# KiCad board nsec-badge-2025-panel.kicad_pcb (continued)
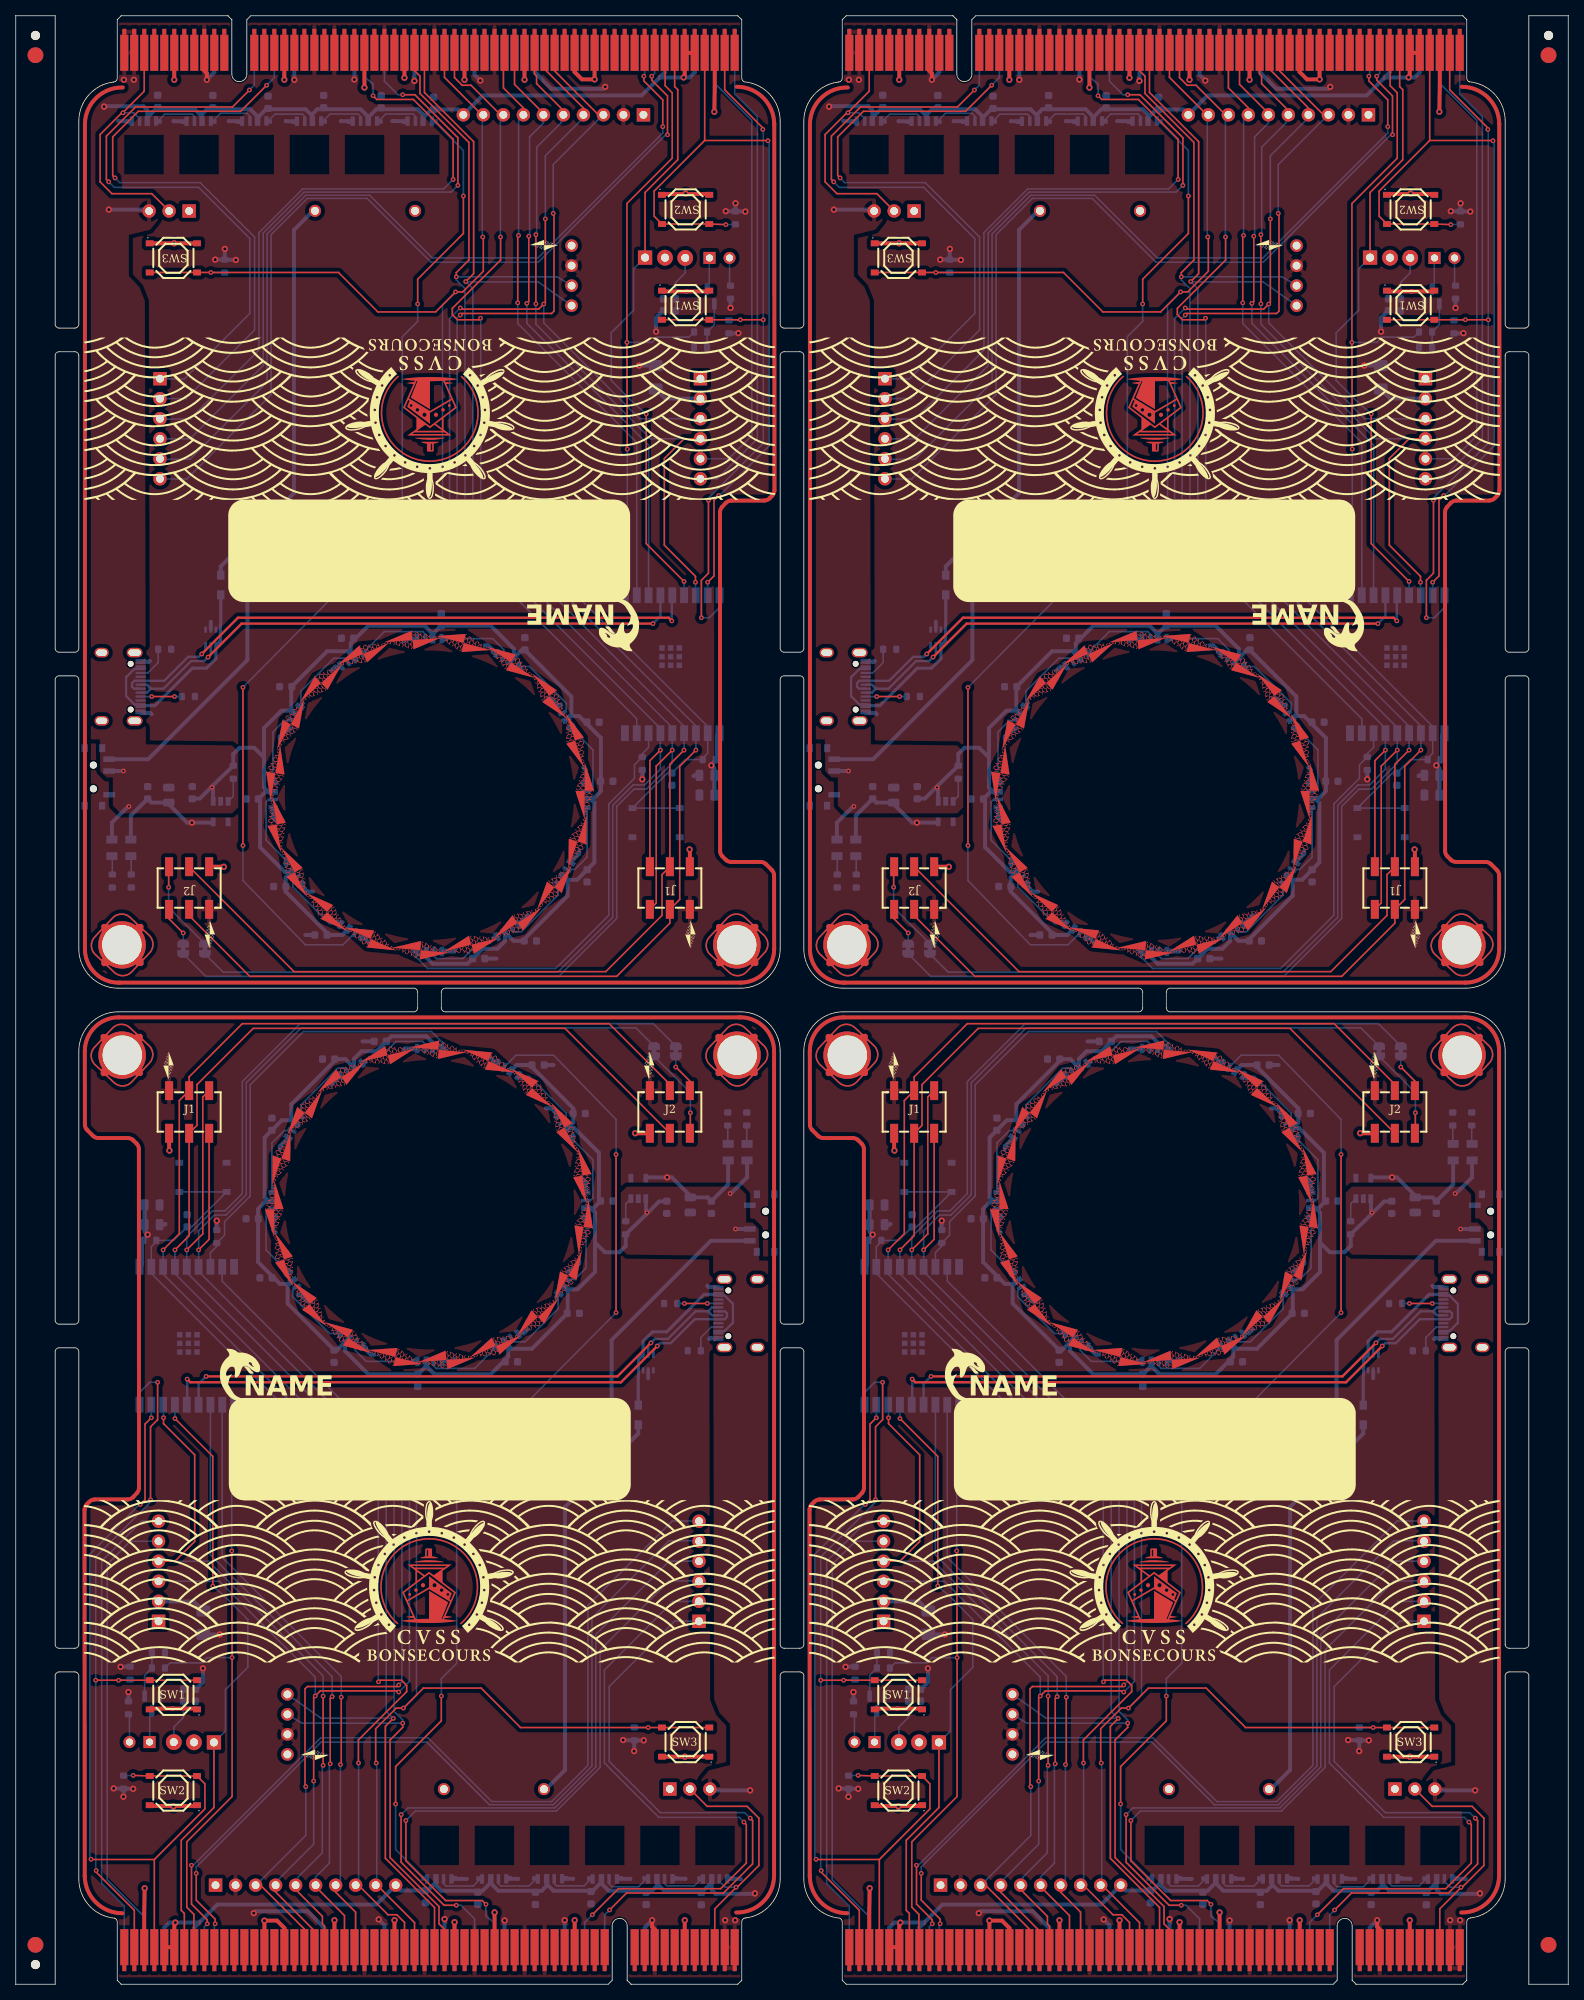
[diagram p0: board, top side]
## Nets (continued)
Board_1-VDD: C1#4.1 C5#2.1 C6.1 C7.1 C8#2.1 C9#2.1 C10#3.1 C11#4.1 C12#3.1 C13.1 C14#4.1 C15#2.1 C16#2.1 C20.1 C21#2.1 C22#3.1 C23#3.1 C24#2.1 C25#3.1 J3#4.10 J4.3 J5.A5 J5.A8 J5.A61 J5.A62 J5.B5 J5.B6 J5.B61 J5.B62 KEY1#4.2 LED1#2.1 R1.1 RGB1#4.2 RGB2.2 RGB3.2 RGB4.2 RGB5#2.2 RGB6.2 RGB7.2 RGB8#2.2 RGB9#4.2 RGB10#4.2 RGB11#2.2 RGB12#4.2 RGB13.2 RGB14.2 RGB15#3.2 RGB16.2 RGB17.2 RGB18#4.2 U6.1
Board_2-+3V3: C2#2.1 C3.1 C18#4.1 C19#2.1 F1#4.1 J1#3.1 J2#3.1 J3.2 J5#2.A21 J5#2.A27 J5#2.A33 J5#2.A39 J5#2.A45 J5#2.A53 J5#2.B25 J5#2.B31 J5#2.B36 J5#2.B41 J5#2.B43 J5#2.B54 LED2#4.1 R6#2.1 R7#4.1 R8#4.1 R9#3.1 R10#2.1 R11.1 R14#3.1 U1.1 U6#3.5 U7.2
Board_2-BTN_A: J3.9 J5#2.B30 R9#3.2 SW3#2.3 SW3#2.4 U1.8
Board_2-BTN_DOWN: J5#2.B4 R8#4.2 SW2#3.3 SW2#3.4 U1.17
Board_2-BTN_UP: J5#2.B2 R7#4.2 SW1#2.3 SW1#2.4 U1.18
Board_2-GND: BT1#3.N C1#3.2 C2#2.2 C3.2 C4#4.2 C5#4.2 C6#4.2 C7#3.2 C8#3.2 C9.2 C10#4.2 C11#2.2 C12.2 C13#2.2 C14#3.2 C15#4.2 C16#3.2 C17#3.2 C18#4.2 C19#2.2 C20#3.2 C21.2 C22.2 C23#2.2 C24.2 C25#2.2 HOLE1#3.1 HOLE2.1 J1#3.6 J2#3.6 J3.1 J4#3.1 J5#2.A18 J5#2.A24 J5#2.A30 J5#2.A35 J5#2.A37 J5#2.A42 J5#2.A48 J5#2.A56 J5#2.B3 J5#2.B15 J5#2.B17 J5#2.B22 J5#2.B28 J5#2.B34 J5#2.B38 J5#2.B46 J5#2.B57 J6#3.1 KEY1#2.4 KEY1#2.5 KEY1#2.6 KEY1#2.7 Q1#4.2 R2#4.2 R3#2.2 R4#4.2 R5#4.2 R13#2.1 RGB1#2.4 RGB2#4.4 RGB3#3.4 RGB4#4.4 RGB5.4 RGB6#2.4 RGB7#2.4 RGB8#3.4 RGB9.4 RGB10#2.4 RGB11.4 RGB12.4 RGB13#4.4 RGB14#3.4 RGB15#2.4 RGB16#3.4 RGB17#3.4 RGB18#2.4 SW1#2.1 SW1#2.2 SW2#3.1 SW2#3.2 SW3#2.1 SW3#2.2 SW4#4.1 SW4#4.2 U1.9 U1.19 U2#3.0 U2#3.A1 U2#3.A12 U2#3.B1 U2#3.B12 U3.2 U5#2.2 U6#3.2 U7.1
Board_2-GPIO1: J1#3.3 J3.3 J5#2.B19 JP1#3.2 U1.5
Board_2-GPIO2: J1#3.4 J3.4 J5#2.B20 J6#3.3 JP2#3.1 U1.6
Board_2-GPIO3: J3.5 J5#2.B21 J6#3.4 U1.16
Board_2-I2C_SCL: J1#3.5 J2#3.5 J5#2.B33 U1.4 U7.3
Board_2-I2C_SDA: J1#3.2 J2#3.2 J5#2.B32 U1.3 U7.4
Board_2-IR_IN: J5#2.B7 U1.15 U5#2.1
Board_2-IR_OUT: J5#2.B8 R12.1 U1.10
Board_2-Net-(J6-Pin_2): F1#4.2 J6#3.2
Board_2-Net-(JP1-A): J2#3.3 JP1#3.1
Board_2-Net-(JP2-B): J2#3.4 JP2#3.2
Board_2-Net-(LED1--): LED1.2 R2#4.1
Board_2-Net-(LED2--): LED2#4.2 R3#2.1
Board_2-Net-(Q1-B): Q1#4.1 R12.2 R13#2.2
Board_2-Net-(Q1-C): Q1#4.3 U4#3.1
Board_2-Net-(RGB1-DOUT): RGB1#2.3 RGB2#4.1
Board_2-Net-(RGB2-DOUT): RGB2#4.3 RGB3#3.1
Board_2-Net-(RGB3-DOUT): RGB3#3.3 RGB4#4.1
Board_2-Net-(RGB4-DOUT): RGB4#4.3 RGB5.1
Board_2-Net-(RGB5-DOUT): RGB5.3 RGB6#2.1
Board_2-Net-(RGB6-DOUT): RGB6#2.3 RGB7#2.1
Board_2-Net-(RGB7-DOUT): RGB7#2.3 RGB8#3.1
Board_2-Net-(RGB8-DOUT): RGB8#3.3 RGB9.1
Board_2-Net-(RGB10-DIN): RGB9.3 RGB10#2.1
Board_2-Net-(RGB10-DOUT): RGB10#2.3 RGB11.1
Board_2-Net-(RGB11-DOUT): RGB11.3 RGB12.1
Board_2-Net-(RGB12-DOUT): RGB12.3 RGB13#4.1
Board_2-Net-(RGB13-DOUT): RGB13#4.3 RGB14#3.1
Board_2-Net-(RGB14-DOUT): RGB14#3.3 RGB15#2.1
Board_2-Net-(RGB15-DOUT): RGB15#2.3 RGB16#3.1
Board_2-Net-(RGB16-DOUT): RGB16#3.3 RGB17#3.1
Board_2-Net-(RGB17-DOUT): RGB17#3.3 RGB18#2.1
Board_2-Net-(U2-CC1): R4#4.1 U2#3.A5
Board_2-Net-(U2-CC2): R5#4.1 U2#3.B5
Board_2-Net-(U4-A): R11.2 U4#3.2
Board_2-Net-(U5-VS): C17#3.1 R10#2.2 U5#2.3
Board_2-Net-(U6-EN): R1#3.2 U6#3.3
Board_2-POWER_IN: D1#3.1 D2.1 KEY1#2.3
Board_2-RESET: C4#4.1 J3.8 J5#2.B29 R6#2.2 SW4#4.3 SW4#4.4 U1.2
Board_2-RGB_LED: R14#3.2 RGB1#2.1 U1.7
Board_2-RGB_OUT: J4#3.2 J5#2.B60 RGB18#2.3
Board_2-SV1: J5#2.A3 J6#3.5
Board_2-SV2: J5#2.A1 J6#3.6
Board_2-SV3: J5#2.A49 J7#2.1
Board_2-SV4: J5#2.A47 J7#2.2
Board_2-SV5: J5#2.A38 J7#2.3
Board_2-SV6: J5#2.A36 J7#2.4
Board_2-SV7: J5#2.A10 J7#2.5
Board_2-SV8: J5#2.A9 J7#2.6
Board_2-UART_RX: J3.7 J5#2.B24 U1.11
Board_2-UART_TX: J3.6 J5#2.B23 U1.12
Board_2-unconnected-(J5-3.3VAUX-PadA14): J5#2.A14
Board_2-unconnected-(J5-+12V-PadA2): J5#2.A2
Board_2-unconnected-(J5--12V-PadB1): J5#2.B1
Board_2-unconnected-(J5-AD[00]-PadA58): J5#2.A58
Board_2-unconnected-(J5-AD[01]-PadB58): J5#2.B58
Board_2-unconnected-(J5-AD[02]-PadA57): J5#2.A57
Board_2-unconnected-(J5-AD[03]-PadB56): J5#2.B56
Board_2-unconnected-(J5-AD[04]-PadA55): J5#2.A55
Board_2-unconnected-(J5-AD[05]-PadB55): J5#2.B55
Board_2-unconnected-(J5-AD[06]-PadA54): J5#2.A54
Board_2-unconnected-(J5-AD[07]-PadB53): J5#2.B53
Board_2-unconnected-(J5-AD[08]-PadB52): J5#2.B52
Board_2-unconnected-(J5-AD[10]-PadB48): J5#2.B48
Board_2-unconnected-(J5-AD[12]-PadB47): J5#2.B47
Board_2-unconnected-(J5-AD[13]-PadA46): J5#2.A46
Board_2-unconnected-(J5-AD[14]-PadB45): J5#2.B45
Board_2-unconnected-(J5-AD[15]-PadA44): J5#2.A44
Board_2-unconnected-(J5-AD[16]-PadA32): J5#2.A32
Board_2-unconnected-(J5-AD[18]-PadA31): J5#2.A31
Board_2-unconnected-(J5-AD[20]-PadA29): J5#2.A29
Board_2-unconnected-(J5-AD[22]-PadA28): J5#2.A28
Board_2-unconnected-(J5-AD[23]-PadB27): J5#2.B27
Board_2-unconnected-(J5-AD[24]-PadA25): J5#2.A25
Board_2-unconnected-(J5-AD[26]-PadA23): J5#2.A23
Board_2-unconnected-(J5-AD[28]-PadA22): J5#2.A22
Board_2-unconnected-(J5-AD[30]-PadA20): J5#2.A20
Board_2-unconnected-(J5-C/BE#[3]-PadB26): J5#2.B26
Board_2-unconnected-(J5-CLK-PadB16): J5#2.B16
Board_2-unconnected-(J5-IDSEL-PadA26): J5#2.A26
Board_2-unconnected-(J5-M66EN-PadB49): J5#2.B49
Board_2-unconnected-(J5-PAR-PadA43): J5#2.A43
Board_2-unconnected-(J5-PME#-PadA19): J5#2.A19
Board_2-unconnected-(J5-RESERVED-PadA11): J5#2.A11
Board_2-unconnected-(J5-RESERVED-PadA40): J5#2.A40
Board_2-unconnected-(J5-RESERVED-PadA41): J5#2.A41
Board_2-unconnected-(J5-RESERVED-PadB10): J5#2.B10
Board_2-unconnected-(J5-RESERVED-PadB14): J5#2.B14
Board_2-unconnected-(J5-TDI-PadA4): J5#2.A4
Board_2-unconnected-(J5-VIO-PadA16): J5#2.A16
Board_2-unconnected-(J5-VIO-PadA59): J5#2.A59
Board_2-unconnected-(J5-VIO-PadB59): J5#2.B59
Board_2-unconnected-(J5-~{C/BE#[0]}-PadA52): J5#2.A52
Board_2-unconnected-(J5-~{C/BE#[1]}-PadB44): J5#2.B44
Board_2-unconnected-(J5-~{DEVSEL#}-PadB37): J5#2.B37
Board_2-unconnected-(J5-~{FRAME#}-PadA34): J5#2.A34
Board_2-unconnected-(J5-~{GNT#}-PadA17): J5#2.A17
Board_2-unconnected-(J5-~{INTA#}-PadA6): J5#2.A6
Board_2-unconnected-(J5-~{INTC#}-PadA7): J5#2.A7
Board_2-unconnected-(J5-~{IRDY#}-PadB35): J5#2.B35
Board_2-unconnected-(J5-~{LOCK#}-PadB39): J5#2.B39
Board_2-unconnected-(J5-~{PERR#}-PadB40): J5#2.B40
Board_2-unconnected-(J5-~{PRSNT1#}-PadB9): J5#2.B9
Board_2-unconnected-(J5-~{PRSNT2#}-PadB11): J5#2.B11
Board_2-unconnected-(J5-~{REQ64#}-PadA60): J5#2.A60
Board_2-unconnected-(J5-~{REQ#}-PadB18): J5#2.B18
Board_2-unconnected-(J5-~{RST#}-PadA15): J5#2.A15
Board_2-unconnected-(J5-~{SERR#}-PadB42): J5#2.B42
Board_2-unconnected-(KEY1-Pad1): KEY1#2.1
Board_2-unconnected-(U2-SBU1-PadA8): U2#3.A8
Board_2-unconnected-(U2-SBU2-PadB8): U2#3.B8
Board_2-unconnected-(U3-Pad1): U3.1
Board_2-unconnected-(U3-Pad3): U3.3
Board_2-unconnected-(U6-NC-Pad4): U6#3.4
Board_2-USB_D+: U1.14 U2#3.A6 U2#3.B6 U3.6
Board_2-USB_D-: U1.13 U2#3.A7 U2#3.B7 U3.5
Board_2-VBAT: BT1#3.P D1#3.2
Board_2-VBUS: D2.2 U2#3.A4 U2#3.A9 U2#3.B4 U2#3.B9 U3.4
Board_2-VDD: C1#3.1 C5#4.1 C6#4.1 C7#3.1 C8#3.1 C9.1 C10#4.1 C11#2.1 C12.1 C13#2.1 C14#3.1 C15#4.1 C16#3.1 C20#3.1 C21.1 C22.1 C23#2.1 C24.1 C25#2.1 J3.10 J4#3.3 J5#2.A5 J5#2.A8 J5#2.A61 J5#2.A62 J5#2.B5 J5#2.B6 J5#2.B61 J5#2.B62 KEY1#2.2 LED1.1 R1#3.1 RGB1#2.2 RGB2#4.2 RGB3#3.2 RGB4#4.2 RGB5.2 RGB6#2.2 RGB7#2.2 RGB8#3.2 RGB9.2 RGB10#2.2 RGB11.2 RGB12.2 RGB13#4.2 RGB14#3.2 RGB15#2.2 RGB16#3.2 RGB17#3.2 RGB18#2.2 U6#3.1
Board_3-+3V3: C2#3.1 C3#4.1 C18.1 C19.1 F1#2.1 J1.1 J2#4.1 J3#2.2 J5#3.A21 J5#3.A27 J5#3.A33 J5#3.A39 J5#3.A45 J5#3.A53 J5#3.B25 J5#3.B31 J5#3.B36 J5#3.B41 J5#3.B43 J5#3.B54 LED2#2.1 R6#4.1 R7#3.1 R8#3.1 R9#2.1 R10.1 R11#3.1 R14#2.1 U1#3.1 U6#4.5 U7#3.2
Board_3-BTN_A: J3#2.9 J5#3.B30 R9#2.2 SW3#4.3 SW3#4.4 U1#3.8
Board_3-BTN_DOWN: J5#3.B4 R8#3.2 SW2.3 SW2.4 U1#3.17
Board_3-BTN_UP: J5#3.B2 R7#3.2 SW1#4.3 SW1#4.4 U1#3.18
Board_3-GND: BT1.N C1.2 C2#3.2 C3#4.2 C4.2 C5.2 C6#3.2 C7#4.2 C8.2 C9#4.2 C10.2 C11#3.2 C12#2.2 C13#4.2 C14#2.2 C15.2 C16#4.2 C17#4.2 C18.2 C19.2 C20#4.2 C21#3.2 C22#2.2 C23.2 C24#3.2 C25#4.2 HOLE1#2.1 HOLE2#2.1 J1.6 J2#4.6 J3#2.1 J4#2.1 J5#3.A18 J5#3.A24 J5#3.A30 J5#3.A35 J5#3.A37 J5#3.A42 J5#3.A48 J5#3.A56 J5#3.B3 J5#3.B15 J5#3.B17 J5#3.B22 J5#3.B28 J5#3.B34 J5#3.B38 J5#3.B46 J5#3.B57 J6#4.1 KEY1#3.4 KEY1#3.5 KEY1#3.6 KEY1#3.7 Q1#2.2 R2#2.2 R3#4.2 R4.2 R5#3.2 R13#4.1 RGB1.4 RGB2#2.4 RGB3#4.4 RGB4#3.4 RGB5#4.4 RGB6#3.4 RGB7#3.4 RGB8#4.4 RGB9#2.4 RGB10#3.4 RGB11#4.4 RGB12#3.4 RGB13#2.4 RGB14#2.4 RGB15.4 RGB16#4.4 RGB17#4.4 RGB18#3.4 SW1#4.1 SW1#4.2 SW2.1 SW2.2 SW3#4.1 SW3#4.2 SW4.1 SW4.2 U1#3.9 U1#3.19 U2#2.0 U2#2.A1 U2#2.A12 U2#2.B1 U2#2.B12 U3#3.2 U5#4.2 U6#4.2 U7#3.1
Board_3-GPIO1: J1.3 J3#2.3 J5#3.B19 JP1#2.2 U1#3.5
Board_3-GPIO2: J1.4 J3#2.4 J5#3.B20 J6#4.3 JP2#2.1 U1#3.6
Board_3-GPIO3: J3#2.5 J5#3.B21 J6#4.4 U1#3.16
Board_3-I2C_SCL: J1.5 J2#4.5 J5#3.B33 U1#3.4 U7#3.3
Board_3-I2C_SDA: J1.2 J2#4.2 J5#3.B32 U1#3.3 U7#3.4
Board_3-IR_IN: J5#3.B7 U1#3.15 U5#4.1
Board_3-IR_OUT: J5#3.B8 R12#4.1 U1#3.10
Board_3-Net-(J6-Pin_2): F1#2.2 J6#4.2
Board_3-Net-(JP1-A): J2#4.3 JP1#2.1
Board_3-Net-(JP2-B): J2#4.4 JP2#2.2
Board_3-Net-(LED1--): LED1#3.2 R2#2.1
Board_3-Net-(LED2--): LED2#2.2 R3#4.1
Board_3-Net-(Q1-B): Q1#2.1 R12#4.2 R13#4.2
Board_3-Net-(Q1-C): Q1#2.3 U4.1
Board_3-Net-(RGB1-DOUT): RGB1.3 RGB2#2.1
Board_3-Net-(RGB2-DOUT): RGB2#2.3 RGB3#4.1
Board_3-Net-(RGB3-DOUT): RGB3#4.3 RGB4#3.1
Board_3-Net-(RGB4-DOUT): RGB4#3.3 RGB5#4.1
Board_3-Net-(RGB5-DOUT): RGB5#4.3 RGB6#3.1
Board_3-Net-(RGB6-DOUT): RGB6#3.3 RGB7#3.1
Board_3-Net-(RGB7-DOUT): RGB7#3.3 RGB8#4.1
Board_3-Net-(RGB8-DOUT): RGB8#4.3 RGB9#2.1
Board_3-Net-(RGB10-DIN): RGB9#2.3 RGB10#3.1
Board_3-Net-(RGB10-DOUT): RGB10#3.3 RGB11#4.1
Board_3-Net-(RGB11-DOUT): RGB11#4.3 RGB12#3.1
Board_3-Net-(RGB12-DOUT): RGB12#3.3 RGB13#2.1
Board_3-Net-(RGB13-DOUT): RGB13#2.3 RGB14#2.1
Board_3-Net-(RGB14-DOUT): RGB14#2.3 RGB15.1
Board_3-Net-(RGB15-DOUT): RGB15.3 RGB16#4.1
Board_3-Net-(RGB16-DOUT): RGB16#4.3 RGB17#4.1
Board_3-Net-(RGB17-DOUT): RGB17#4.3 RGB18#3.1
Board_3-Net-(U2-CC1): R4.1 U2#2.A5
Board_3-Net-(U2-CC2): R5#3.1 U2#2.B5
Board_3-Net-(U4-A): R11#3.2 U4.2
Board_3-Net-(U5-VS): C17#4.1 R10.2 U5#4.3
Board_3-Net-(U6-EN): R1#4.2 U6#4.3
Board_3-POWER_IN: D1.1 D2#4.1 KEY1#3.3
Board_3-RESET: C4.1 J3#2.8 J5#3.B29 R6#4.2 SW4.3 SW4.4 U1#3.2
Board_3-RGB_LED: R14#2.2 RGB1.1 U1#3.7
Board_3-RGB_OUT: J4#2.2 J5#3.B60 RGB18#3.3
Board_3-SV1: J5#3.A3 J6#4.5
Board_3-SV2: J5#3.A1 J6#4.6
Board_3-SV3: J5#3.A49 J7#3.1
Board_3-SV4: J5#3.A47 J7#3.2
Board_3-SV5: J5#3.A38 J7#3.3
Board_3-SV6: J5#3.A36 J7#3.4
Board_3-SV7: J5#3.A10 J7#3.5
Board_3-SV8: J5#3.A9 J7#3.6
Board_3-UART_RX: J3#2.7 J5#3.B24 U1#3.11
Board_3-UART_TX: J3#2.6 J5#3.B23 U1#3.12
Board_3-unconnected-(J5-3.3VAUX-PadA14): J5#3.A14
Board_3-unconnected-(J5-+12V-PadA2): J5#3.A2
Board_3-unconnected-(J5--12V-PadB1): J5#3.B1
Board_3-unconnected-(J5-AD[00]-PadA58): J5#3.A58
Board_3-unconnected-(J5-AD[01]-PadB58): J5#3.B58
Board_3-unconnected-(J5-AD[02]-PadA57): J5#3.A57
Board_3-unconnected-(J5-AD[03]-PadB56): J5#3.B56
Board_3-unconnected-(J5-AD[04]-PadA55): J5#3.A55
Board_3-unconnected-(J5-AD[05]-PadB55): J5#3.B55
Board_3-unconnected-(J5-AD[06]-PadA54): J5#3.A54
Board_3-unconnected-(J5-AD[07]-PadB53): J5#3.B53
Board_3-unconnected-(J5-AD[08]-PadB52): J5#3.B52
Board_3-unconnected-(J5-AD[10]-PadB48): J5#3.B48
Board_3-unconnected-(J5-AD[12]-PadB47): J5#3.B47
Board_3-unconnected-(J5-AD[13]-PadA46): J5#3.A46
Board_3-unconnected-(J5-AD[14]-PadB45): J5#3.B45
Board_3-unconnected-(J5-AD[15]-PadA44): J5#3.A44
Board_3-unconnected-(J5-AD[16]-PadA32): J5#3.A32
Board_3-unconnected-(J5-AD[18]-PadA31): J5#3.A31
Board_3-unconnected-(J5-AD[20]-PadA29): J5#3.A29
Board_3-unconnected-(J5-AD[22]-PadA28): J5#3.A28
Board_3-unconnected-(J5-AD[23]-PadB27): J5#3.B27
Board_3-unconnected-(J5-AD[24]-PadA25): J5#3.A25
Board_3-unconnected-(J5-AD[26]-PadA23): J5#3.A23
Board_3-unconnected-(J5-AD[28]-PadA22): J5#3.A22
Board_3-unconnected-(J5-AD[30]-PadA20): J5#3.A20
Board_3-unconnected-(J5-C/BE#[3]-PadB26): J5#3.B26
Board_3-unconnected-(J5-CLK-PadB16): J5#3.B16
Board_3-unconnected-(J5-IDSEL-PadA26): J5#3.A26
Board_3-unconnected-(J5-M66EN-PadB49): J5#3.B49
Board_3-unconnected-(J5-PAR-PadA43): J5#3.A43
Board_3-unconnected-(J5-PME#-PadA19): J5#3.A19
Board_3-unconnected-(J5-RESERVED-PadA11): J5#3.A11
Board_3-unconnected-(J5-RESERVED-PadA40): J5#3.A40
Board_3-unconnected-(J5-RESERVED-PadA41): J5#3.A41
Board_3-unconnected-(J5-RESERVED-PadB10): J5#3.B10
Board_3-unconnected-(J5-RESERVED-PadB14): J5#3.B14
Board_3-unconnected-(J5-TDI-PadA4): J5#3.A4
Board_3-unconnected-(J5-VIO-PadA16): J5#3.A16
Board_3-unconnected-(J5-VIO-PadA59): J5#3.A59
Board_3-unconnected-(J5-VIO-PadB59): J5#3.B59
Board_3-unconnected-(J5-~{C/BE#[0]}-PadA52): J5#3.A52
Board_3-unconnected-(J5-~{C/BE#[1]}-PadB44): J5#3.B44
Board_3-unconnected-(J5-~{DEVSEL#}-PadB37): J5#3.B37
Board_3-unconnected-(J5-~{FRAME#}-PadA34): J5#3.A34
Board_3-unconnected-(J5-~{GNT#}-PadA17): J5#3.A17
Board_3-unconnected-(J5-~{INTA#}-PadA6): J5#3.A6
Board_3-unconnected-(J5-~{INTC#}-PadA7): J5#3.A7
Board_3-unconnected-(J5-~{IRDY#}-PadB35): J5#3.B35
Board_3-unconnected-(J5-~{LOCK#}-PadB39): J5#3.B39
Board_3-unconnected-(J5-~{PERR#}-PadB40): J5#3.B40
Board_3-unconnected-(J5-~{PRSNT1#}-PadB9): J5#3.B9
Board_3-unconnected-(J5-~{PRSNT2#}-PadB11): J5#3.B11
Board_3-unconnected-(J5-~{REQ64#}-PadA60): J5#3.A60
Board_3-unconnected-(J5-~{REQ#}-PadB18): J5#3.B18
Board_3-unconnected-(J5-~{RST#}-PadA15): J5#3.A15
Board_3-unconnected-(J5-~{SERR#}-PadB42): J5#3.B42
Board_3-unconnected-(KEY1-Pad1): KEY1#3.1
Board_3-unconnected-(U2-SBU1-PadA8): U2#2.A8
Board_3-unconnected-(U2-SBU2-PadB8): U2#2.B8
Board_3-unconnected-(U3-Pad1): U3#3.1
Board_3-unconnected-(U3-Pad3): U3#3.3
Board_3-unconnected-(U6-NC-Pad4): U6#4.4
Board_3-USB_D+: U1#3.14 U2#2.A6 U2#2.B6 U3#3.6
Board_3-USB_D-: U1#3.13 U2#2.A7 U2#2.B7 U3#3.5
Board_3-VBAT: BT1.P D1.2
Board_3-VBUS: D2#4.2 U2#2.A4 U2#2.A9 U2#2.B4 U2#2.B9 U3#3.4
Board_3-VDD: C1.1 C5.1 C6#3.1 C7#4.1 C8.1 C9#4.1 C10.1 C11#3.1 C12#2.1 C13#4.1 C14#2.1 C15.1 C16#4.1 C20#4.1 C21#3.1 C22#2.1 C23.1 C24#3.1 C25#4.1 J3#2.10 J4#2.3 J5#3.A5 J5#3.A8 J5#3.A61 J5#3.A62 J5#3.B5 J5#3.B6 J5#3.B61 J5#3.B62 KEY1#3.2 LED1#3.1 R1#4.1 RGB1.2 RGB2#2.2 RGB3#4.2 RGB4#3.2 RGB5#4.2 RGB6#3.2 RGB7#3.2 RGB8#4.2 RGB9#2.2 RGB10#3.2 RGB11#4.2 RGB12#3.2 RGB13#2.2 RGB14#2.2 RGB15.2 RGB16#4.2 RGB17#4.2 RGB18#3.2 U6#4.1

Pads without a net: J5 A12 A13 B12 B13; J5#2 A12 A13 B12 B13; J5#3 A12 A13 B12 B13; J5#4 A12 A13 B12 B13; U2 1 2 3; U2#2 1 2 3; U2#3 1 2 3; U2#4 1 2 3

## Via types
v1: diameter 0.8, hole 0.4, Top to Bottom, 144 vias
v2: diameter 0.6, hole 0.3, Top to Bottom, 260 vias

## Routing (per net, layer and track width the routed paths; a pad name or vN(x,y) marks a point on that pad's centre or on a via; arc(x,y) is an arc through that point)
Board_0-+3V3: length 74.3
  Top w0.5: v1(24.25,241.62) 24.25,242.45 23.92,242.78 J5#4.B54
  Bottom w0.5: v1(79.5,152.87) R14#4.1 ; v1(79.1,205.36) F1.1 ; R8#2.1 v1(92.58,224.9) ; R8#2.1 v1(91.34,225.95) ; R8#2.1 v1(90.1,224.94) ; J5#4.A45 v1(35.35,241.62) ; R9.1 v1(25.31,218.8) ; R9.1 v1(27.93,218.76) ; R9.1 v1(26.53,220.16) ; v1(91.7,209.47) 91.68,209.44 R7#2.1 ; C18#2.1 C19#3.1 88.65,154.27 v1(88.26,154.63) R6#3.1 89,155.55 89,158.42 U1#4.1 ; J5#4.A39 v1(42.97,241.65) ; v1(81.25,209.67) 81.25,211.44 R10#4.1 ; J5#4.A27 58.21,242.26 v1(58.95,241.52) ; v1(24.25,241.62) 25.19,242.56 J5#4.A53 ; LED2#3.1 14.6,148.26 C3#2.1 17.21,149.92 C2.1 19.41,149.71 21.75,147.37 v1(22.35,147.37) 24.95,147.37 U6#2.5 ; v1(74.8,240.72) 74.55,240.47 67.98,240.47 65.84,242.61 J5#4.A21 ; v1(90.7,212.67) R11#2.1 ; v1(50.59,241.47) J5#4.A33
Board_0-BTN_A: length 145.2
  Top w0.2: J5#4.B30 54.4,241.92 59.15,237.17 J3#3.9 ; SW3.3 SW3.4 v2(24.75,217.17) 40.95,217.17 45.95,212.17 53.28,212.17 v2(55.81,214.71) 56.71,214.71 59.33,217.33 59.33,221.6 v2(59.26,221.67)
  Bottom w0.2: v2(59.26,221.67) 59.2,221.73 59.2,237.04 J3#3.9 ; U1#4.8 78.8,160.54 54.15,185.19 54.15,213.05 v2(55.81,214.71) ; R9.2 v2(24.75,217.17)
Board_0-BTN_DOWN: length 103.2
  Top w0.2: 87.42,233.92 J5#4.B4 ; 87.42,233.92 95.41,233.92 v2(95.45,233.88) ; 87.42,233.92 81,227.5 81,224.32 SW2#4.3 SW2#4.4 v2(90.1,223.25) ; v2(89.2,188.87) 88.6,188.27 88.6,178.67 v2(87.8,177.87)
  Bottom w0.2: v2(89.2,188.87) 89.3,188.87 95.6,195.17 95.6,233.73 v2(95.45,233.88) ; v2(87.8,177.87) U1#4.17 ; R8#2.2 v2(90.1,223.25)
Board_0-BTN_UP: length 95.7
  Top w0.2: SW1#3.3 SW1#3.4 91.6,211.17 v2(91.95,211.17) v2(94.86,211.17) ; v2(87.9,188.27) 87.9,179.02 87,178.12 v2(87,173.37) ; J5#4.B2 89.96,240.35 94.8,235.51 v2(94.8,235.32)
  Bottom w0.2: v2(94.8,235.32) 94.85,235.27 94.85,211.18 v2(94.86,211.17) 94.86,195.53 87.9,188.57 v2(87.9,188.27) ; U1#4.18 89.3,174.67 88,173.37 v2(87,173.37) ; 90.42,211.15 v2(91.95,211.17)
Board_0-GND: length 95.4
  Top w0.5: J5#4.B28 56.94,241.68 ; J2#2.6 26.39,141.78 v1(26.4,141.77) ; 88,227.12 82,227.12 ; v1(44.24,240.63) J5#4.B38 ; 23.1,220.87 17.1,220.87 ; J5#4.B57 20.11,241.76 ; J5#4.B3 88.7,240.67 v1(88.65,237.56) ; J5#4.B17 70.91,242.62 71.86,241.67 v1(73.45,241.67) J5#4.B15 ; J1#2.6 85.54,143.93 v1(85.5,143.97) ; J5#4.B46 v1(34.08,241.62) ; J5#4.B34 v1(49.32,241.87) ; 64.5,241.62 64.56,241.68 J5#4.B22 ; 88,214.77 82,214.77
  Bottom w0.4: 22.65,163.37 22.85,163.37
  Bottom w0.5: RGB2#3.4 64.98,135.62 65,135.62 ; RGB4#2.4 72.34,154.03 72,154.37 ; RGB1#3.4 55.67,131.03 55.75,131.12 ; 40,166.62 40.54,167.16 RGB8.4 ; RGB9#3.4 33.5,158.3 33.5,157.87 ; RGB12#2.4 45.07,131.87 45.25,131.87 ; RGB6#4.4 59.94,169.87 59.5,169.87 ; RGB16#2.4 27.03,236.37 27.01,236.38 ; 37.75,138.62 37.02,138.62 RGB11#3.4 ; 20.01,236.38 20.04,236.36 RGB17#2.4 ; C19#3.2 86.1,153.37 86,153.27 ; RGB5#3.4 67.98,163.12 67.5,163.12 ; 47.76,236.38 48.26,236.38 48.28,236.37 RGB13#3.4 ; 34.26,236.38 34.29,236.36 RGB15#4.4 ; C5#3.2 61,130.12 ; U3#2.2 24.75,172.87 ; 33.25,147.37 32.66,147.96 RGB10.4 ; RGB7#4.4 49.58,170.69 49.25,170.37 ; 17.25,161.12 17.1,161.27 U2.A1 ; RGB18.4 13.03,236.37 13.01,236.38 ; 71.5,143.87 71.5,143.44 RGB3#2.4 ; C16.2 36.75,133.12 ; RGB14#4.4 41.28,236.37 41.26,236.38 ; 16.95,167.87 17,167.87 16.9,167.77 15.85,167.77
  vias: v1(20.11,241.62) v1(20.1,220.87) v1(56.94,241.62) v1(64.56,241.62) v1(85,227.17) v2(85.1,214.77)
Board_0-GPIO1: length 222.3
  Top w0.2: v2(83.3,156.57) 81.27,154.54 81.27,137.18 J1#2.3 ; J3#3.3 73.95,237.17 68.38,242.74 J5#4.B19 ; v2(56.4,211.77) 56.6,211.97 68,211.97 68.3,212.27 68.3,224.57 v2(68.2,224.67)
  Bottom w0.2: 83.3,159.45 56,186.75 56,211.37 v2(56.4,211.77) ; J3#3.3 74.5,237.17 68.2,230.87 v2(68.2,224.67) ; U1#4.5 v2(83.3,156.57) 83.3,154.92 80,151.62 78.45,151.62 76.25,149.42 76.25,135.22 68.9,127.87 24.1,127.87 JP1.2
Board_0-GPIO2: length 237.4
  Top w0.2: v2(67.2,223.97) 67.2,213.37 v2(67,213.17) 66.35,212.52 56.55,212.52 v2(56.4,212.67) ; J1#2.4 80.46,155.23 v2(81.8,156.57) ; J3#3.4 72.03,238.04 67.1,242.97 J5#4.B20
  Bottom w0.2: 86.83,198.62 86.83,198.62 79.15,198.62 67,210.77 v2(67,213.17) ; v2(56.4,212.67) 55.05,211.32 55.05,186.07 81.8,159.32 U1#4.6 v2(81.8,156.57) 81.8,154.17 79.79,152.16 78.34,152.16 75.75,149.57 75.75,135.37 68.79,128.41 26.31,128.41 JP2#4.1 ; J3#3.4 72.03,236.8 67.2,231.97 v2(67.2,223.97)
Board_0-GPIO3: length 88.4
  Top w0.2: v2(86.25,177.87) 86.25,178.62 82.3,182.57 82.3,193.57 84.81,196.07 86.83,196.07 ; v2(66,221.97) v2(66,213.19) ; J3#3.5 69.49,237.73 66.09,241.13 66.09,242.08 65.84,242.33 J5#4.B21
  Bottom w0.2: U1#4.16 86.25,176.27 v2(86.25,177.87) ; v2(66,221.97) 66.1,222.07 66.1,233.07 69.2,236.17 69.2,236.88 ; v2(66,213.19) 66,210.62 80.55,196.07 86.83,196.07
Board_0-I2C_SCL: length 209.5
  Top w0.2: v2(55.9,216.62) 55.9,217.15 57.5,218.75 57.5,233.67 51.29,239.88 51.29,242.08 50.59,242.78 J5#4.B33 ; J2#2.5 35.31,128.47 74.87,128.47 82,135.6 82,140.78 J1#2.5 83,154.77 v2(84.8,156.57)
  Bottom w0.2: v2(84.8,156.57) U1#4.4 84.8,159.59 57,187.4 57,215.12 55.9,216.22 v2(55.9,216.62) 68.71,216.62 U7#2.3
Board_0-I2C_SDA: length 209.1
  Top w0.2: v2(86.3,156.57) 84.25,154.52 84.25,137.62 J1#2.2 83,134.62 76.25,127.87 29.7,127.87 22,135.57 J2#2.2 ; v2(57.1,216.02) 58.1,217.02 58.1,233.77 51.86,240.01 J5#4.B32
  Bottom w0.2: U7#2.4 66.29,215.97 57.15,215.97 v2(57.1,216.02) 58,215.12 58,187.95 86.3,159.65 U1#4.3 v2(86.3,156.57)
Board_0-IR_IN: length 76.4
  Top w0.2: J5#4.B7 83.61,240.76 84,240.37 84,231.47 79.85,227.32 U5.1 ; v2(84.8,177.97) 80,182.77 v2(80,199.22)
  Bottom w0.2: U5.1 78.4,217.61 78.4,212.37 75.55,209.52 75.55,203.47 78.45,200.57 v2(80,199.22) ; v2(84.8,177.97) U1#4.15
Board_0-IR_OUT: length 80.8
  Top w0.2: v2(77.55,208.3) 77.55,225.92 83.3,231.67 83.3,239.97 82.4,240.87 82.4,244.98 J5#4.B8 ; v2(77.55,208.3) 77.53,208.27 ; v2(77.55,208.3) v2(77.6,194.76)
  Bottom w0.2: v2(77.6,194.76) 77.6,178.89 77.29,177.79 U1#4.10 ; v2(77.55,208.3) 80.73,208.3 81.4,208.97 85.43,208.97 R12#3.1
Board_0-Net-(J6-Pin_2): length 6.1
  Bottom w0.2: 86.82,201.17 86.83,201.16
  Bottom w0.5: F1.2 82.41,201.17 86.82,201.17
Board_0-Net-(JP1-A): length 5.1
  Top w0.2: v2(21.25,133.37) 19.46,135.16 J2#2.3
  Bottom w0.2: JP1.1 v2(21.25,133.37)
Board_0-Net-(JP2-B): length 11.7
  Top w0.2: J2#2.4 19.4,141.72 v2(19.4,139.17)
  Bottom w0.2: JP2#4.2 19.4,136.62 v2(19.4,139.17)
Board_0-Net-(LED1--): length 2.3
  Bottom w0.2: 12.25,140.8 12.25,143.07 LED1#4.2
Board_0-Net-(LED2--): length 2.3
  Bottom w0.2: LED2#3.2 14.65,143.07 14.65,140.8
Board_0-Net-(Q1-B): length 5.9
  Bottom w0.2: Q1#3.1 88.65,210.55 R12#3.2 R13#3.2
Board_0-Net-(Q1-C): length 4.1
  Bottom w0.2: Q1#3.3 88,215.36 88,218.99 U4#2.1
Board_0-Net-(RGB1-DOUT): length 9.7
  Bottom w0.2: RGB1#3.3 53.07,130.43 53.37,130.13 56.76,130.13 58.75,132.12 60.22,132.12 RGB2#3.1
Board_0-Net-(RGB2-DOUT): length 9.3
  Bottom w0.2: RGB2#3.3 63.34,133.51 64.14,133.51 68.81,138.18 RGB3#2.1
Board_0-Net-(RGB3-DOUT): length 9.3
  Bottom w0.2: RGB4#2.1 72.5,148.89 72.5,143 70.93,141.43 RGB3#2.3
Board_0-Net-(RGB4-DOUT): length 9.8
  Bottom w0.2: RGB5#3.1 73.24,156.6 73.24,151.64 72.94,151.34 RGB4#2.3
Board_0-Net-(RGB5-DOUT): length 9.3
  Bottom w0.2: RGB6#4.1 65.19,167.18 69.84,162.53 69.84,161.74 RGB5#3.3
Board_0-Net-(RGB6-DOUT): length 9.3
  Bottom w0.2: RGB7#4.1 60.52,170.72 61.94,169.3 RGB6#4.3
Board_0-Net-(RGB7-DOUT): length 9.7
  Bottom w0.2: RGB7#4.3 51.95,171.3 51.63,171.62 46.78,171.62 RGB8.1
Board_0-Net-(RGB8-DOUT): length 9.6
  Bottom w0.2: RGB8.3 41.66,168.23 40.36,168.23 36.19,164.06 RGB9#3.1
Board_0-Net-(RGB10-DIN): length 9.3
  Bottom w0.2: RGB10.1 32.64,158.88 34.07,160.31 RGB9#3.3
Board_0-Net-(RGB10-DOUT): length 9.7
  Bottom w0.2: RGB11#3.1 31.76,145.14 31.76,150.01 32.06,150.31 RGB10.3
Board_0-Net-(RGB11-DOUT): length 9.3
  Bottom w0.2: RGB12#2.1 39.81,134.56 35.16,139.21 35.16,140 RGB11#3.3
Board_0-Net-(RGB12-DOUT): length 127.8
  Top w0.2: v2(56.8,226.87) 56.8,222.12 51,216.32 v2(51,213.17) ; v2(28.83,144.47) v2(28.83,164.54)
  Bottom w0.2: v2(51,213.17) 51,210.97 49.05,209.02 49.05,184.92 v2(28.83,164.54) ; RGB13#3.1 56.8,232.63 v2(56.8,226.87) ; RGB12#2.3 41.51,131.87 36.75,131.87 28.83,140.02 v2(28.83,144.47)
Board_0-Net-(RGB13-DOUT): length 5.7
  Bottom w0.2: RGB14#4.1 46.95,237.27 50.42,237.27 50.72,236.98 RGB13#3.3
Board_0-Net-(RGB14-DOUT): length 5.9
  Bottom w0.2: RGB14#4.3 43.76,236.98 43.46,237.27 39.88,237.27 RGB15#4.1
Board_0-Net-(RGB15-DOUT): length 5.7
  Bottom w0.2: RGB16#2.1 32.9,237.26 36.38,237.26 36.68,236.96 RGB15#4.3
Board_0-Net-(RGB16-DOUT): length 5.9
  Bottom w0.2: RGB17#2.1 25.98,237.37 29.33,237.37 29.72,236.98 RGB16#2.3
Board_0-Net-(RGB17-DOUT): length 5.7
  Bottom w0.2: RGB17#2.3 22.68,236.96 22.38,237.26 18.9,237.26 RGB18.1
Board_0-Net-(U2-CC1): length 5.2
  Top w0.2: v2(17.25,163.37) v2(20.15,163.37)
  Bottom w0.2: R4#3.1 v2(20.15,163.37) ; v2(17.25,163.37) U2.A5
Board_0-Net-(U2-CC2): length 4.4
  Bottom w0.2: U2.B5 16.75,166.37 18.08,167.7 R5.1
Board_0-Net-(U4-A): length 3.6
  Bottom w0.2: R11#2.2 90.57,215.62 U4#2.2
Board_0-Net-(U5-VS): length 7.2
  Bottom w0.2: U5.3 84.95,217.12 83.73,215.9 C17#2.1 83.73,212.37 R10#4.2
Board_0-Net-(U6-EN): length 3.1
  Bottom w0.2: R1#2.2 27.6,150.72 U6#2.3
Board_0-POWER_IN: length 33.5
  Bottom w0.5: D1#2.1 D2#3.1 29.39,168.01 16.8,155.42 KEY1.3
Board_0-RESET: length 128.9
  Top w0.2: J5#4.B29 55.67,241.9 56.65,240.92 57.77,240.92 61.52,237.17 J3#3.8 ; v2(61.51,221.67) 61.52,221.66 61.52,218.74 55.4,212.62 55.4,211.82 56.05,211.17 58.78,211.17 v2(58.98,211.37)
  Bottom w0.2: SW4#3.4 SW4#3.3 82.68,153.65 C4#2.1 84.98,155.37 R6#3.2 ; 61.52,237.17 61.5,237.15 61.5,221.68 v2(61.51,221.67) ; v2(58.98,211.37) 59,211.34 59,188.37 87.8,159.57 U1#4.2 87.8,156.17 87,155.37
Board_0-RGB_LED: length 53.7
  Bottom w0.2: RGB1#3.1 50.76,130.36 52.25,128.87 68.5,128.87 75.25,135.62 75.25,149.75 78.5,153 78.5,154.69 R14#4.2 79.5,156.12 80.3,156.92 U1#4.7
Board_0-RGB_OUT: length 31.8
  Top w0.2: J4#4.2 17.26,227.17 12.2,227.17 10.7,228.67 10.7,234.67 13.46,237.43 v2(13.6,237.43) 13.6,237.47 16.3,240.17 J5#4.B60
  Bottom w0.2: v2(13.6,237.43) 14.96,237.43 15.72,236.68 RGB18.3
Board_0-SV1: length 58.3
  Bottom w0.2: J5#4.A3 88.7,241.17 93.4,236.47 93.4,196.47 90.47,193.54 J6#2.5
Board_0-SV2: length 59.5
  Bottom w0.2: 86.83,191 89.03,191 94.1,196.07 94.1,236.97 91.23,239.84 J5#4.A1
Board_0-SV3: length 76.8
  Top w0.2: v2(11.8,228.67) 11.5,228.97 11.5,234.47 15.2,238.17 27.5,238.17 v2(29.65,240.32)